# Altium PCB Standby_PS.PcbDoc (part 1 of 2)
Units mm, origin at the board's own origin, x right, y up, seen from the top; angles counter-clockwise.
Board outline 230 x 80 mm, 2 copper layers (Top Layer, Bottom Layer), stack 1.071 mm thick; 207 components, 84 nets, 482 pads, 84 vias.
Unrouted connection lines stored in the file: 340.
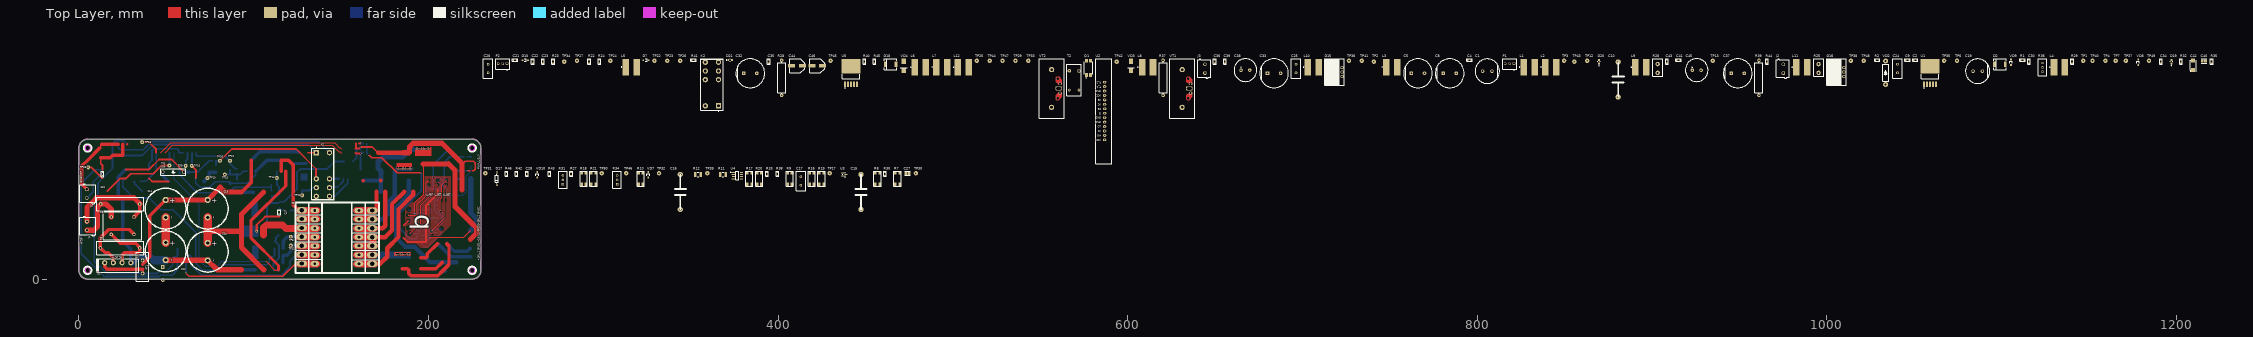
[diagram p0: Top Layer view]
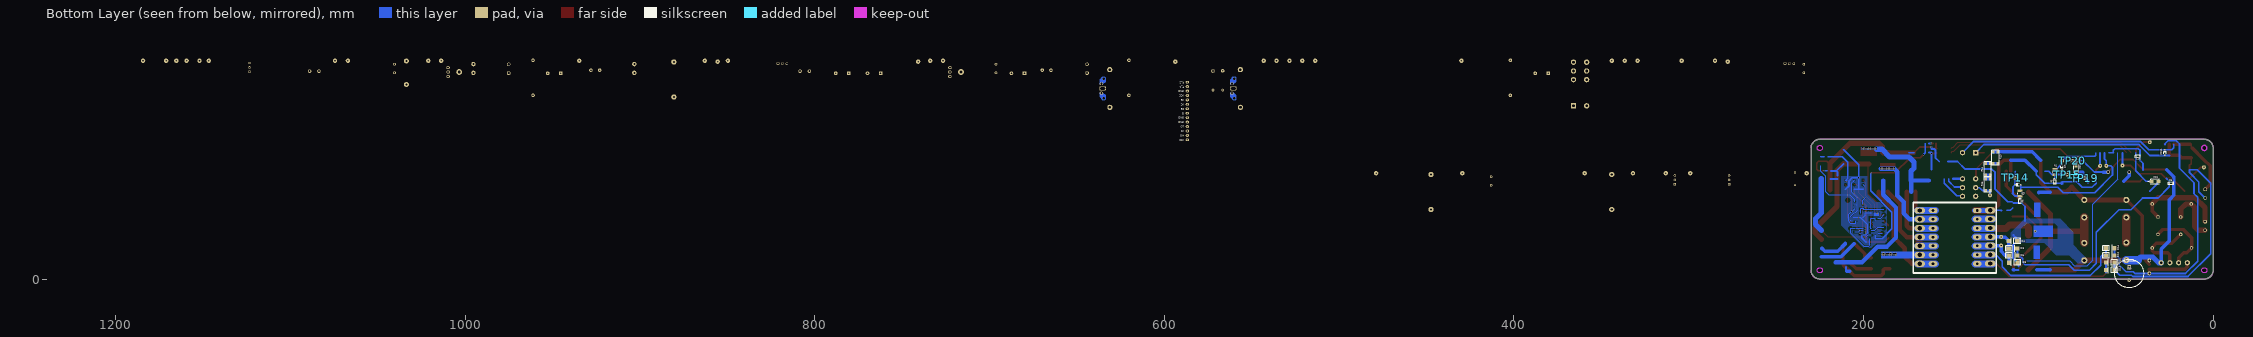
[diagram p1: Bottom Layer view, seen from below]

## Layer stack, top to bottom
Top Solder: solder mask 0.0102, Solder Resist, Dk 3.5
Top Layer: signal copper 0.0356
Dielectric 1: dielectric 1, FR-4, Dk 4.8
Bottom Layer: signal copper 0.0356
Bottom Solder: solder mask 0.0102, Solder Resist, Dk 3.5

## Board outline
0,5 0,74.95 0,75 cw(c5,75) 5,80 225,80 cw(c225,75) 230,75 230,74.9 230,4.95 230,5 cw(c225,5) 225,0 5,0 cw(c5,5)
cut-out: 223.5,5 ccw(c225,5) 225,3.5 ccw(c225,5) 226.5,5 ccw(c225,5) 225,6.5 ccw(c225,5)
cut-out: 223.5,75 ccw(c225,75) 225,73.5 ccw(c225,75) 226.5,75 ccw(c225,75) 225,76.5 ccw(c225,75)
cut-out: 3.5,5 ccw(c5,5) 5,3.5 ccw(c5,5) 6.5,5 ccw(c5,5) 5,6.5 ccw(c5,5)
cut-out: 5,73.5 cw(c5,75) 3.5,75 cw(c5,75) 5,76.5 cw(c5,75) 6.5,75 cw(c5,75)

## Design rules (kind name [scope] priority, off if disabled: settings)
Clearance Clearance_1 [All vs InNet('GND_1')] p1: gap=0.2 ignorepadtopadclearanceinfootprint=FALSE
Clearance [All vs InNet('GND')] p2: gap=0.4 ignorepadtopadclearanceinfootprint=FALSE except(0.2: Arc-Hole SMDPad-SMDPad SMDPad-THPad SMDPad-Via SMDPad-Fill SMDPad-Poly SMDPad-Region SMDPad-Text SMDPad-Hole THPad-THPad THPad-Via THPad-Fill THPad-Poly THPad-Region THPad-Text THPad-Hole Text-Text Text-Hole)
ComponentClearance [All] p1: gap=-3 collisioncheckmode=3 verticalgap=0.254 showdistances=FALSE
DiffPairsRouting [All] p1: maxlimit=0.254 minlimit=0.254 mostfreqgap=0.254 substack1={A23D90DD-733B-49C5-8102-56B3D284E3A0} toplayer_{a23d90dd-733b-49c5-8102-56b3d284e3a0}_minwidth=0.381 toplayer_{a23d90dd-733b-49c5-8102-56b3d284e3a0}_maxwidth=0.381 toplayer_{a23d90dd-733b-49c5-8102-56b3d284e3a0}_prefwidth=0.381 bottomlayer_{a23d90dd-733b-49c5-8102-56b3d284e3a0}_minwidth=0.381 bottomlayer_{a23d90dd-733b-49c5-8102-56b3d284e3a0}_maxwidth=0.381 bottomlayer_{a23d90dd-733b-49c5-8102-56b3d284e3a0}_prefwidth=0.381 toplayer_minwidth=0.381 toplayer_maxwidth=0.381 toplayer_prefwidth=0.381 bottomlayer_minwidth=0.381 bottomlayer_maxwidth=0.381 bottomlayer_prefwidth=0.381 substack2={0B3DB408-A969-412D-8C07-BA8AE97219D9} toplayer_{0b3db408-a969-412d-8c07-ba8ae97219d9}_minwidth=0.381 toplayer_{0b3db408-a969-412d-8c07-ba8ae97219d9}_maxwidth=0.381 toplayer_{0b3db408-a969-412d-8c07-ba8ae97219d9}_prefwidth=0.381 bottomlayer_{0b3db408-a969-412d-8c07-ba8ae97219d9}_minwidth=0.381 bottomlayer_{0b3db408-a969-412d-8c07-ba8ae97219d9}_maxwidth=0.381 bottomlayer_{0b3db408-a969-412d-8c07-ba8ae97219d9}_prefwidth=0.381 substack3={378827E6-B38F-4565-9D2F-710D8D441C30} toplayer_{378827e6-b38f-4565-9d2f-710d8d441c30}_minwidth=0.381 toplayer_{378827e6-b38f-4565-9d2f-710d8d441c30}_maxwidth=0.381 toplayer_{378827e6-b38f-4565-9d2f-710d8d441c30}_prefwidth=0.381 bottomlayer_{378827e6-b38f-4565-9d2f-710d8d441c30}_minwidth=0.381 bottomlayer_{378827e6-b38f-4565-9d2f-710d8d441c30}_maxwidth=0.381 bottomlayer_{378827e6-b38f-4565-9d2f-710d8d441c30}_prefwidth=0.381 substack4={1E65D4A7-266F-4925-B814-5E9C4A66F8EE} toplayer_{1e65d4a7-266f-4925-b814-5e9c4a66f8ee}_minwidth=0.381 toplayer_{1e65d4a7-266f-4925-b814-5e9c4a66f8ee}_maxwidth=0.381 toplayer_{1e65d4a7-266f-4925-b814-5e9c4a66f8ee}_prefwidth=0.381 bottomlayer_{1e65d4a7-266f-4925-b814-5e9c4a66f8ee}_minwidth=0.381 bottomlayer_{1e65d4a7-266f-4925-b814-5e9c4a66f8ee}_maxwidth=0.381 bottomlayer_{1e65d4a7-266f-4925-b814-5e9c4a66f8ee}_prefwidth=0.381 substack5={93C5D03E-862D-45F8-9871-970EEA9B3F11} toplayer_{93c5d03e-862d-45f8-9871-970eea9b3f11}_minwidth=0.381 toplayer_{93c5d03e-862d-45f8-9871-970eea9b3f11}_maxwidth=0.381 toplayer_{93c5d03e-862d-45f8-9871-970eea9b3f11}_prefwidth=0.381 bottomlayer_{93c5d03e-862d-45f8-9871-970eea9b3f11}_minwidth=0.381 bottomlayer_{93c5d03e-862d-45f8-9871-970eea9b3f11}_maxwidth=0.381 bottomlayer_{93c5d03e-862d-45f8-9871-970eea9b3f11}_prefwidth=0.381 maxuncoupledlength=12.7
Height [All] p1: minheight=0 maxheight=50 prefheight=33
HoleSize [All] p1: absolutevalues=TRUE maxlimit=6 minlimit=0.01 maxpercent=80.000 minpercent=20.000
HoleToHoleClearance [All] p1: gap=0.1 allowstackedmicrovias=TRUE
MinimumSolderMaskSliver [All] p1: minsoldermaskwidth=0.1
PlaneClearance [All] p1: clearance=0.7
PlaneConnect [All] p1: planeconnectstyle=Direct reliefexpansion=0.5 reliefentries=4 reliefconductorwidth=0.5 reliefairgap=0.15
PolygonConnect VQFN20 [HasFootprint('VQFN20')] p1: connectstyle=Direct reliefconductorwidth=0.254 reliefentries=4 polygonreliefangle="90 Angle" airgapwidth=0.254
PolygonConnect [All] p2: connectstyle=Direct reliefconductorwidth=0.3 reliefentries=4 polygonreliefangle="90 Angle" airgapwidth=0.15
RoutingVias [All] p1: holewidth=0.1 width=0.1 viastyle="Through Hole" minholewidth=0 minwidth=0.3 maxholewidth=2 maxwidth=4
ShortCircuit [All] p1: allowed=TRUE
SilkToSolderMaskClearance [IsPad] p1: minsilkscreentomaskgap=0.1 clearancetoexposedcopper=TRUE
SolderMaskExpansion SolderMaskExpansion_Via [IsVia] p1: expansion=0.102 istentingtop=TRUE
SolderMaskExpansion [All] p2: expansion=0.01 istentingtop=FALSE
SupplyNets "Schematic Supply Nets_5" [InNet('GND_1')] p1: voltage=0.000
SupplyNets "Schematic Supply Nets_4" [InNet('+550V')] p2: voltage=0.000
SupplyNets "Schematic Supply Nets_3" [InNet('GND')] p3: voltage=0.000
SupplyNets "Schematic Supply Nets_2" [InNet('GND_2')] p4: voltage=0.000
SupplyNets "Schematic Supply Nets_1" [InNet('GND_3')] p5: voltage=0.000
SupplyNets "Schematic Supply Nets" [InNet('+20V')] p6: voltage=0.000
UnRoutedNet [All] p1: checkbadconnections=TRUE
Width [All] p1: maxlimit=5 minlimit=0.2 preferedwidth=0.3 substack1={A23D90DD-733B-49C5-8102-56B3D284E3A0} substack2={0B3DB408-A969-412D-8C07-BA8AE97219D9} substack3={378827E6-B38F-4565-9D2F-710D8D441C30} substack4={1E65D4A7-266F-4925-B814-5E9C4A66F8EE} substack5={93C5D03E-862D-45F8-9871-970EEA9B3F11}
19 further rules are at their usual default settings.

## Components (designator, comment, footprint, x,y, rotation, side; value= is the part's Value field where it differs from the comment)
C1 "2200uF_25V" CAP_POL_13x26_1000uF_50V 805.816,118.926 r0 top
C2 "0.1uF" CAP-0805 1050.703,125.326 r0 top
C3 "CAP-NON-POLAR" CAP-V15 23.675,42.975 r180 top
C4 "1uF_50V" CAP-0805 795.665,125.326 r0 top
C5 "1000uF 50V" FP-RAD-TH-D_16_0_5-L_25_2-MFG 766.139,117.726 r0 top
C6 "1uF_50V" CAP-0805 24.1,54.63 r180 bottom
C7 "CAP-NON-POLAR" CAP-V15 23.55,17.8 r0 top
C8 "1000uF 50V" FP-RAD-TH-D_16_0_5-L_25_2-MFG 784.315,117.726 r0 top
C9 "0.1uF" CAP-0805 1046.177,125.326 r0 top
C10 "CAP-NON-POLAR" CAP_3.3uF_630V 880.669,114.176 r90 top
C11 "CAP-POLAR" "CAP 100uF_500V 22x40mm" 49.65,40.275 r270 top locked
C12 "CAP-POLAR" "CAP 100uF_500V 22x40mm" 49.65,15.825 r270 top
C13 "CAP-POLAR" "CAP 100uF_500V 22x40mm" 73.7,40.275 r270 top
C14 "CAP-POLAR" "CAP 100uF_500V 22x40mm" 73.7,15.7 r270 top
C15 "CAP-NON-POLAR" CAP_3.3uF_630V 447.498,49.823 r90 top
C16 "CAP-NON-POLAR" CAP_3.3uF_630V 344.068,49.823 r90 top
C17 "CAP-V" CAP-V 413.047,56.098 r90 top
C18 "1uF_50V" CAP-0805 43.075,70.125 r180 bottom
C19 "2200uF_25V" CAP_POL_13x26_1000uF_50V 1086.379,118.926 r0 top
C20 "1uF 50V" CAP-0805 77.375,67.675 r0 bottom
C21 "1uF 16V" CAP-0805 249.514,125.326 r0 top
C22 "1UF 16V" CAP-0805 259.689,124.551 r90 top
C23 "1UF 16V" CAP-0805 265.539,124.551 r90 top
C24 "" CAP-V 1040.502,120.451 r90 top
C25 "" CAP-V 696.36,120.451 r90 top
C26 "" CAP-V 234.138,120.451 r90 top
C27 "50V 1uF" FP-C0805C-DN-IPC_A 474.025,60.448 r0 top value="0.22 μF"
C28 "0.1uF" CAP-0805 256.289,60.198 r90 top
C29 "1000uF 50V" FP-RAD-TH-D_16_0_5-L_25_2-MFG 48.025,3.175 r270 bottom
C30 "0.1uF" CAP-0805 1115.781,124.551 r90 top
C31 "1uF_50V" CAP-0805 13.475,60.1 r90 top locked
C32 "1000uF 50V" FP-RAD-TH-D_16_0_5-L_25_2-MFG 384.12,117.726 r0 top
C33 "1000uF 50V" FP-RAD-TH-D_16_0_5-L_25_2-MFG 683.785,117.726 r0 top
C34 "0.1uF" CAP-0805 1191.335,124.551 r90 top
C35 "1uF_50V" CAP-0805 394.696,124.551 r90 top
C36 "0.1uF" CAP-0805 649.908,124.551 r90 top
C37 "1000uF 50V" FP-RAD-TH-D_16_0_5-L_25_2-MFG 949.098,117.726 r0 top
C38 "2200uF_25V" CAPPOL-12x25 667.409,119.526 r0 top
C39 "0.1uF" CAP-0805 655.758,124.551 r90 top
C40 "50V 1uF" FP-C0805C-DN-IPC_A 1215.861,124.776 r0 top value="0.22 μF"
C41 "1uF 50V" CAP-0805 915.246,125.326 r0 top
C42 "CAP-POLAR" CAP-TAN-C 1209.66,122.326 r90 top
C43 "1uF 50V" CAP-0805 908.621,124.551 r90 top
C44 "1000uF 6.3V" CAP_SMD_Size_E 410.846,121.926 r0 top
C45 "2200uF_25V" CAPPOL-12x25 925.622,119.526 r0 top
C46 "1000uF 6.3V" CAP_SMD_Size_E 422.372,121.926 r0 top
C47 "1uF_50V" CAP-0805 114.675,38.2 r270 top
D1 "RS40X" RS40X 22.225,7.8 r180 top locked
D2 "SS36" SMC/DO214AB 1099.105,122.901 r0 top
D3 "US1G" DO-214AA#1 112.4,17.55 r0 bottom
D4 "US1G" DO-214AA#1 116.525,21.7 r180 bottom
D5 "US1G" DO-214AA#1 112.275,13.475 r0 bottom
D6 "US1G" DO-214AA#1 116.375,9.375 r180 bottom
D7 "1N4148W-7-F" DIOD-SOD123-2_V#1 324.567,125.276 r0 top
D8 "1N4148W-7-F" DIOD-SOD123-2_V#1 111.625,54 r0 bottom
D9 "1N4148W-7-F" DIOD-SOD123-2_V#1 86.449,64.1 r270 bottom
D10 "1N4148W-7-F" DIOD-SOD123-2_V#1 255.389,125.276 r0 top
D11 "US1G" DO-214AA#1 60.875,9.4 r180 bottom
D12 "US1G" DO-214AA#1 56.775,13.5 r0 bottom
D13 "US1G" DO-214AA#1 60.875,5.25 r180 bottom
D14 "US1G" DO-214AA#1 56.775,17.625 r0 bottom
D15 "U1620G" TO-220_Bended_Rad 719.662,118.951 r90 top
D16 "U1620G" TO-220_Bended_Rad 1006.826,118.951 r90 top
D17 "5,6V" FP-SB-V-3906_04-031_4-MFG 239.188,57.448 r90 top
D18 "SS36" SMC/DO214AB 464.424,122.901 r0 top
D19 "RED" LED_RED 1197.185,124.376 r90 top
D20 "GREEN" LED_GREEN 869.694,124.376 r90 top
D21 "GREEN" LED_GREEN 372.595,125.301 r0 top
F1 "FILTER" FILTER_1 25.025,30.525 r0 top
J1 "691101710002" 691101710002 5.075,30.375 r270 top
J2 "691102710002" 691102710002 974.749,120.351 r90 top
J3 "691102710002" 691102710002 643.808,120.351 r90 top
J4 "691101710002" 691101710002 5.05,48.825 r270 top
K1 "F1CA005V" Relay_F1CA005V_Omron 139.6,60.225 r270 top
K2 "" Relay_F1CA005V_Omron 362.194,111.176 r90 top
L1 "1.2µH, 7.4A" WE-PD2_1054 829.767,121.201 r0 top
L2 "1.2µH, 7.4A" WE-PD2_1054 842.018,121.201 r0 top
L3 "1.2µH, 7.4A" WE-PD2_1054 751.213,121.201 r0 top
L4 "22µH, 2.04A" WE-PD2_1054 1133.157,121.201 r0 top
L5 "1.2µH, 7.4A" WE-PD2_1054 315.942,121.201 r0 top
L6 "1.2µH, 7.4A" WE-PD2_1054 481.475,121.201 r0 top
L7 "1.2µH, 7.4A" WE-PD2_1054 493.726,121.201 r0 top
L8 "1.2µH, 7.4A" WE-PD2_1054 611.406,121.201 r0 top
L9 "1.2µH, 7.4A" WE-PD2_1054 893.695,121.201 r0 top
L10 "1.2µH, 7.4A" WE-PD2_1054 706.186,121.201 r0 top
L11 "1.2µH, 7.4A" WE-PD2_1054 985.75,121.201 r0 top
L12 "22µH, 2.04A" WE-PD2_1054 505.976,121.201 r0 top
P1 "61900311121" 61900311121 818.541,122.976 r0 top
P2 "61900311121" 61900311121 242.413,122.976 r0 top
Q1 "PC817XNNIP0F" FP-PC817XNNIP0F-MFG 577.63,120.776 r90 top
R1 "1K" RES-0805 1112.031,125.326 r0 top
R2 "1K*" RES-0805 1028.902,125.326 r0 top
R3 "22" RES_SMD_1210_IPC_A 110.55,49 r270 bottom
R4 "22" RES_SMD_1210_IPC_A 90.525,61.35 r270 bottom
R5 "1K" RES-0805 90.525,55.825 r270 bottom
R6 "1K" RES-0805 110.5,44.525 r270 bottom
R7 "100K" RES-2512 468.349,57.473 r90 top
R8 "100K" RES-2512 456.924,57.473 r90 top
R9 "100K" RES-2512 406.771,57.473 r90 top
R10 "100K" RES-2512 321.392,57.473 r90 top
R11 "RES_1210" RES_SMD_1210_IPC_A 368.544,59.823 r0 top
R12 "RES_1210" RES_SMD_1210_IPC_A 354.194,59.823 r0 top
R13 "3K" RES-2512 124.525,69.4 r90 bottom
R14 "3K" RES-2512 128.85,62.8 r90 bottom
R15 "3K" RES-2512 128.85,54 r90 bottom
R16 "3K" RES-2512 419.272,57.473 r90 top
R17 "3K" RES-2512 383.62,57.473 r90 top
R18 "3K" RES-2512 288.866,57.473 r90 top
R19 "3K" RES-2512 424.847,57.473 r90 top
R20 "3K" RES-2512 389.22,57.473 r90 top
R21 "3K" RES-2512 294.466,57.473 r90 top
R22 "1K*" RES-0805 291.966,124.551 r90 top
R23 "1K" RES-0805 271.39,124.551 r90 top
R24 "1K*" RES-0805 297.816,124.551 r90 top
R25 "1.1 Ohm***" RES-2W_2 995.35,122.976 r90 top
R26 "1.1 Ohm***" RES-2W_2 903.296,122.976 r90 top
R27 "1K" RES-0805 281.74,60.198 r90 top
R28 "300" RES_3W 402.096,113.601 r0 top
R29 "1K" RES-0805 1140.507,124.551 r90 top
R30 "10K" RES-0805 461.199,60.198 r90 top
R31 "10K" RES_Adj_3296W_Bourns 276.94,56.723 r0 top
R32 "1K*" RES-0805 1202.76,124.551 r90 top
R33 "10K" RES-0805 393.771,60.198 r90 top
R34 "10K" RES_Adj_3296W_Bourns 307.941,56.723 r0 top
R35 "10K (1K)" RES-0805 1220.311,124.551 r90 top
R36 "10K" RES_Adj_3296W_Bourns 1123.456,121.076 r0 top
R37 "RES_100" RES_3W 620.332,113.601 r0 top
R38 "1K" RES-0805 399.621,60.198 r90 top
R39 "RES_100" RES_3W 961.248,113.601 r0 top
R40 "3K" RES-0805 449.398,124.551 r90 top
R41 "1K*" RES-0805 351.719,125.326 r0 top
R42 "1K" RES-0805 250.439,60.198 r90 top
R43 "1K" RES-0805 269.265,60.198 r90 top
R44 "2.7K" RES-0805 965.799,124.551 r90 top
R45 "1K" RES-0805 455.249,124.551 r90 top
R46 "5.1K" RES-0805 244.588,60.198 r90 top
RT1 "RES-TEMP" 10D-15 36.5,6.95 r270 top
T1 "ETD34" Transformer_ETD34 147.641,23.719 r0 top
T2 "Current_SENS" Current_Sense_13x7x5 569.429,113.826 r90 top
TP1 "" Test_Point#1 1146.757,124.901 r0 top
TP2 "Test_Point_PCB" Pin_Test_Point(Orange) 740.913,124.376 r0 top
TP3 "" Test_Point#1 849.768,124.901 r0 top
TP4 "" Test_Point#1 1159.458,124.901 r0 top
TP5 "" Test_Point#2 51.875,64.925 r90 top
TP6 "" Test_Point#1 1074.554,124.901 r0 top
TP7 "" Test_Point#1 1165.308,124.901 r0 top
TP8 "" Test_Point#2 121.225,24.1 r90 top
TP9 "" Test_Point#2 61.125,64.778 r90 top
TP10 "" Test_Point#2 86.448,67.625 r90 top
TP11 "" Test_Point#2 121.275,19.15 r90 top
TP12 "" Test_Point#1 862.969,124.901 r90 top
TP13 "" Test_Point#1 934.797,124.901 r90 top
TP14 "" Test_Point#2 113.227,57.825 r90 bottom
TP15 "" Test_Point#2 83.475,59.799 r180 bottom
TP16 "" Test_Point#2 64.647,64.756 r90 top
TP17 "" Test_Point#1 429.547,60.573 r90 top
TP18 "" Test_Point#2 36.225,78.3 r0 top
TP19 "Test_Point_PCB" Test_Point#2 73.517,57.776 r180 bottom
TP20 "Test_Point_PCB" Test_Point#2 80.7,67.675 r180 bottom
TP21 "Test_Point_PCB" Test_Point#2 127.65,47.875 r90 top
TP22 "Test_Point_PCB" Test_Point#1 329.267,124.901 r90 top
TP23 "Test_Point_PCB" Test_Point#1 336.618,124.901 r90 top
TP24 "Test_Point_PCB" Test_Point#1 304.066,124.901 r90 top
TP25 "Test_Point_PCB" Test_Point#1 513.726,124.901 r90 top
TP26 "Test_Point_PCB" Test_Point#1 343.993,124.901 r90 top
TP27 "Test_Point_PCB" Test_Point#1 285.015,124.901 r90 top
TP28 "" Test_Point#2 5.239,63.925 r90 top
TP29 "Test_Point_PCB" Test_Point#1 535.828,124.901 r90 top
TP30 "Test_Point_PCB" Test_Point#1 478.875,60.573 r90 top
TP31 "Test_Point_PCB" Test_Point#1 232.538,60.573 r90 top
TP32 "Test_Point_PCB" Test_Point#1 331.943,60.573 r90 top
TP33 "Test_Point_PCB" Test_Point#1 543.203,124.901 r90 top
TP34 "Test_Point_PCB" Pin_Test_Point(Orange) 277.69,124.376 r0 top
TP35 "Test_Point_PCB" Test_Point#1 1067.179,124.901 r90 top
TP36 "Test_Point_PCB" Test_Point#1 726.637,124.901 r90 top
TP37 "Test_Point_PCB" Test_Point#1 1171.159,124.901 r90 top
TP38 "Test_Point_PCB" Test_Point#1 1013.801,124.901 r90 top
TP39 "Test_Point_PCB" Test_Point#1 359.569,60.573 r90 top
TP40 "Test_Point_PCB" Test_Point#1 1152.108,124.901 r90 top
TP41 "Test_Point_PCB" Test_Point#1 734.012,124.901 r90 top
TP42 "Test_Point_PCB" Pin_Test_Point(Pink) 593.755,124.376 r0 top
TP43 "Test_Point_PCB" Pin_Test_Point(Pink) 855.643,124.376 r0 top
TP44 "" Test_Point#1 521.102,124.901 r90 top
TP45 "" Test_Point#1 430.097,124.901 r90 top
TP46 "Test_Point_PCB" Test_Point#1 313.142,60.573 r90 top
TP47 "" Test_Point#1 528.477,124.901 r90 top
TP48 "Test_Point_PCB" Test_Point#1 1021.176,124.901 r90 top
TP49 "Test_Point_PCB" Test_Point#1 1184.359,124.901 r90 top
TP50 "Test_Point_PCB" Test_Point#1 299.141,60.573 r90 top
U1 "" ON_Semiconductor_936A-02_MFG 1059.128,117.951 r0 top
U2 "TL494_Ir2181" PWM_Controller_Half 589.28,66.173 r90 top
U3 "" TL431_SOT-23-3(A) 437.823,59.773 r0 top
U4 "LM358DR2G" FP-751-07-IPC_C 376.77,59.173 r0 top
U5 "" ON_Semiconductor_936A-02_MFG 441.723,117.951 r0 top
VD1 "US1G" US1G_SMA 33.241,55.729 r180 bottom
VD2 "P6KE40" P6KE350CA 1033.702,118.026 r90 top
VD3 "SMBJ15A" DO-214AA#2 601.906,119.701 r90 top
VD4 "SMBJ15A" DO-214AA#2 471.974,119.701 r90 top
VD5 "15V" DO-017AA 54.041,61.225 r0 top
VD6 "US1G" US1G_SMA 78.391,63.101 r90 bottom
VD7 "" DIOD-SOD123-2_V#2 325.742,59.673 r90 top
VD8 "" DIOD-SOD123-2_V#2 1178.159,124.026 r90 top
VD9 "" DIOD-SOD123-2_V#2 1105.455,124.026 r90 top
VD10 "" DIOD-SOD123-2_V#2 262.189,59.673 r90 top
VD11 "" DIOD-SOD123-2_V#2 27.6,72.3 r90 bottom
VT1 "MOSFET-N-GDS" RAD_TO-220-TO247 631.257,109.025 r90 top
VT2 "MOSFET-N-GDS" RAD_TO-220-TO247 556.554,109.025 r90 top

## Footprints (in the part's own frame and the unit in brackets; to place one, negate y for a bottom-side part, rotate by r counter-clockwise, add the part's x,y. Pads: shape width x height; smd on the part's side, far side on the other; paste and mask are expansions set on the pad)
10D-15 [mm]
  round 2.2 hole 1.12: 1(-3.7,0) 2(3.7,0)
  silkscreen extent -8.25,-3.56 8.25,3.43, body extent -8.25,-3.5 8.25,3.5, height 21.24
61900311121 [mm] "2.54mm Male Locking Header, 3p"
  rrect50% 1.5x1.5 hole 1: 1(2.54,0.3)
  round 1.5 hole 1: 2(0,0.3) 3(-2.54,0.3)
  silkscreen extent -3.98,-3.52 3.98,2.98, body extent -3.81,-2.9 3.81,2.9, height 11.53
691101710002 [mm] "5,00mm - modular - blue - Horizontal entry with pressure clamp - 12,6mm height - 02p"
  rrect50% 1.95x1.95 hole 1.3: 1(-2.5,-0.5)
  round 1.95 hole 1.3: 2(2.5,-0.5)
  silkscreen extent -5.6,-4.5 5.6,4.5, body extent -5.6,-4.5 5.6,4.5, height 12.65
691102710002 [mm] "5,00mm - modular - blue - Horizontal entry with pressure clamp - 9,9 mm height - 02p"
  rrect50% 1.95x1.95 hole 1.3: 1(-2.5,-0.45)
  round 1.95 hole 1.3: 2(2.5,-0.45)
  silkscreen extent -5.6,-3.75 5.6,3.75, body extent -5.6,-3.75 5.6,3.75, height 9.96
"CAP 100uF_500V 22x40mm" [mm]
  round 3.5 hole 1.8: 1(-5,0) 2(5,0)
  silkscreen extent -11.68,-11.68 11.68,11.68, body extent -11,-11 11.1,11.1, height 31.53
CAP-0805 [mm]
  rect 0.8x1.25 smd mask+0.015: 1(-1,0) 2(1,0)
  silkscreen extent -1.52,-0.76 1.52,0.76, body extent -1,-0.62 1,0.63, height 0.8
CAP-TAN-C [mm]
  rect 2.3x2.3 smd: 1(-2.7,0) 2(2.7,0)
  silkscreen extent -3.8,-1.9 3,1.9, body extent -2.9,-1.6 2.9,1.6, height 2.6
CAP-V [mil]
  round 60 hole 30: 1(-97.44,0) 2(97.44,0)
  silkscreen extent -222,-106 221,108, body extent -216,-98 216,98, height 610
CAP-V15 [mm]
  round 2 hole 1: 1(-11.2,0) 2(11.2,0)
  silkscreen extent -13.4,-3.9 13.5,3.9, body extent -13.2,-3.72 13.3,3.7, height 17
CAP_3.3uF_630V [mil]
  round 120 hole 50: 1(-395,0) 2(395,0)
  silkscreen extent -395,-130 395,125, body extent -472,-236 472,236, height 804
CAP_POL_13x26_1000uF_50V [mm]
  round 2 hole 1.1: 1(-2.667,0) 2(2.667,0)
  silkscreen extent -7,-7 7,7, body extent -6.3,-6.3 6.31,6.31, height 25.72
CAP_SMD_Size_E [mm]
  rect 4x2 smd: 1(3.175,0) 2(-3.048,0)
  silkscreen extent -4.19,-3.94 4.32,4.06, body extent -4.25,-4 4.25,4, height 10.59
CAPPOL-12x25 [mm]
  round 2 hole 1: 1(-2.5,0) 2(2.5,0)
  silkscreen extent -6.5,-6.5 6.5,6.5, body extent -6.25,-6.25 6.25,6.25, height 25
Current_Sense_13x7x5 [mm]
  round 2 hole 1: 1(5.334,2.8) 2(5.207,-2.8)
  round 1.524 hole 0.762: 3(-5.7,2.8) 4(-5.7,-2.794)
  silkscreen extent -8.89,-4.06 9.02,4.19, body extent -12.58,-3.35 12.34,3.35, height 17.72
DIOD-SOD123-2_V#1 [mm] "SOD123, 2-Leads, Body 2.7x1.55mm, Height 1.45mm"
  rect 0.9x0.95 smd: 1(-1.575,0) 2(1.575,0)
  silkscreen extent -0.64,-0.82 0.64,0.77, body extent -1.35,-0.77 1.35,0.77, height 1.45
DIOD-SOD123-2_V#2 [mm] "SOD123, 2-Leads, Body 2.7x1.55mm, Height 1.45mm"
  rect 0.9x0.95 smd: 1(1.575,0) 2(-1.575,0)
  silkscreen extent -0.64,-0.82 0.64,0.77, body extent -1.88,-0.8 1.88,0.8, height 1.3
DO-017AA [mm]
  round 2 hole 1.3: 1(-6,0) 2(6,0)
  silkscreen extent -7.2,-1.85 7.15,1.83, body extent -6.63,-1.7 6.37,1.7, height 3.4
DO-214AA#1 [mm]
  rect 2.4x2.4 smd: 1(-0.381,0) 2(4.5,0)
  silkscreen extent 1.02,-1.9 6.35,1.91, body extent -0.75,-1.97 4.85,1.97, height 2.65
DO-214AA#2 [mm]
  rect 3x2.4 smd: 1(-0.381,0) 2(4.953,0)
  silkscreen extent 1.27,-1.91 1.27,1.91, body extent -0.53,-1.85 5.07,2.1, height 2.65
FILTER_1 [mm]
  round 2 hole 1: 1(-6.5,5) 2(6.5,5) 3(6.5,-5) 4(-6.5,-5)
  silkscreen extent -11.05,-8.03 10.92,8.1, body extent -10.95,-8 10.85,8, height 24.48
FP-751-07-IPC_C [mm]
  rect 1.874x0.543 smd paste+0 mask+0: 1(-2.316,1.905)
  rrect100% 1.874x0.543 smd paste+0 mask+0: 2(-2.316,0.635) 3(-2.316,-0.635) 4(-2.316,-1.905) 5(2.316,-1.905) 6(2.316,-0.635) 7(2.316,0.635) 8(2.316,1.905)
  silkscreen extent -3.98,-2.45 0.88,2.45, body extent -3.35,-2.55 3.35,2.55, height 0.25
FP-C0805C-DN-IPC_A [mm]
  rect 1.505x1.556 smd paste+0 mask+0: 1(-0.901,0) 2(0.901,0)
  silkscreen extent -1.65,-1.18 1.65,1.18, body extent -2.15,-1.28 2.15,1.28, height 0.25
FP-PC817XNNIP0F-MFG [mm]
  rect 2.2x1.7 smd paste+0 mask+0: 1(-4.1,1.27) 2(-4.1,-1.27) 3(4.1,-1.27) 4(4.1,1.27)
  silkscreen extent -5.87,-2.54 3.5,2.54, body extent -5.3,-2.64 5.3,2.64, height 0.25
FP-RAD-TH-D_16_0_5-L_25_2-MFG [mm]
  round 2.1 hole 1 paste-2539.97 mask+0: 1(3.75,0)
  rect 2.1x2.1 hole 1 paste-2539.97 mask+0: 2(-3.75,0)
  silkscreen extent -8.25,-8.25 8.25,8.25, body extent -8.35,-8.35 8.35,8.35, height 0.25
FP-SB-V-3906_04-031_4-MFG [mm]
  rect 1.25x1.25 hole 0.75 paste-2539.97 mask+0: 1(-3.55,0)
  round 1.25 hole 0.75 paste-2539.97 mask+0: 2(3.55,0)
  silkscreen extent -2.52,-0.85 2.52,0.85, body extent -4.28,-0.95 4.28,0.95, height 0.25
LED_GREEN [mm]
  rect 1.1x1.2 smd paste+0 mask+0: 1(-1.05,0) 2(1.05,0)
  silkscreen extent -2.27,-0.67 0.13,0.67, body extent -1,-0.63 1,0.63, height 0.8
LED_RED [mm]
  rect 1.1x1.2 smd paste+0 mask+0: 1(-1.05,0) 2(1.05,0)
  silkscreen extent -2.27,-0.67 0.13,0.67, body extent -1.7,-0.77 1.7,0.77, height 0.25
ON_Semiconductor_936A-02_MFG [mm]
  rect 1.016x3.05 smd paste+0 mask+0: 1(-3.404,-6.485) 2(-1.702,-6.485) 3(0,-6.485) 4(1.702,-6.485) 5(3.404,-6.485)
  rect 10.66x8.38 smd paste+0 mask+0: 6(0,3.82)
  silkscreen extent -5.12,-8.72 5.12,-0.75, body extent -5.43,-8.11 5.43,8.11, height 0.25
P6KE350CA [mm]
  round 2.8 hole 1.2: 1(-6.731,0) 2(6.731,0)
  silkscreen extent -4.95,-1.78 4.95,1.78, body extent -7.26,-1.8 7.26,1.8, height 6.9
Pin_Test_Point(Orange) [mm]
  round 2.5 hole 0.95: 1(0,0)
  body extent -1.3,-1.78 1.3,1.78, height 6.93
Pin_Test_Point(Pink) [mm]
  round 2.5 hole 0.95: 1(0,0)
  body extent -1.3,-1.78 1.3,1.78, height 6.93
PWM_Controller_Half [mil]
  oval 62x75 hole 35: 1(530,95) 2(630,95) 3(730,95) 4(830,95) 5(930,95) 6(1030,95) 7(1130,95) 8(1230,95) 9(1330,95) 10(1430,95) 11(1530,95) 12(1630,95) 13(1730,95) 14(1830,95)
  silkscreen extent -5,-70 2355,295, body extent 0,-75 2362,299, height 203
RAD_TO-220-TO247 [mm]
  round 3 hole 1.5: 0(-10.795,0.051) 0(10.795,0)
  round 1.425 hole 1.4: 1(-5.461,-3.505) 3(5.461,-3.505)
  oval 1.7x2 hole 1.2: 1(-2.692,-4.8) 3(2.718,-4.8)
  rrect50% 2.2x3.9 hole 1.2 slot 2.8 at 90 deg: 2(0,-4.064)
  Top Layer region: -4.851,-5.816 -6.629,-4.038 -6.629,-2.946 -6.045,-2.362 -3.962,-2.362 -2.413,-3.911 -2.413,-5.816
  Top Layer region: 2.311,-5.842 2.311,-3.988 3.886,-2.413 6.02,-2.413 6.604,-2.997 6.604,-4.267 5.029,-5.842
  Bottom Layer region: -4.851,-5.816 -6.629,-4.038 -6.629,-2.946 -6.045,-2.362 -3.962,-2.362 -2.413,-3.911 -2.413,-5.816
  Bottom Layer region: 2.311,-5.842 2.311,-3.988 3.886,-2.413 6.02,-2.413 6.604,-2.997 6.604,-4.267 5.029,-5.842
  silkscreen extent -16.99,-7.16 17.02,7.11, body extent -17,-7.19 17,7.19, height 25.75
Relay_F1CA005V_Omron [mil]
  rect 120x120 hole 60 paste-99999 mask+0: 1(-476.38,-147.64)
  round 120 hole 60 paste-99999 mask+0: 2(114.17,-147.64) 3(311.02,-147.64) 4(507.87,-147.64) 5(507.87,147.64) 6(311.02,147.64) 7(114.17,147.64) 8(-476.38,147.64)
  silkscreen extent -599,-255 580,255, body extent -575,-254 575,254, height 10
RES-2W_2 [mm]
  round 2.5 hole 1.2: 1(-5,0) 2(0,0)
  silkscreen extent -6.93,-2.95 2.95,2.85, body extent -5.4,-2.6 2.6,2.6, height 21.6
RES-0805 [mm]
  rect 0.8x1.25 smd mask+0.015: 1(-1,0) 2(1,0)
  silkscreen extent -1.52,-0.76 1.52,0.76, body extent -1,-0.62 1,0.63, height 0.6
RES-2512 [mm]
  rect 1.8x1.45 smd: 1(-3.275,-1.225) 1(-3.275,1.225) 2(3.275,-1.225) 2(3.275,1.225)
  silkscreen extent -4.28,-2.05 4.25,2.05, body extent -3.2,-1.6 3.2,1.6, height 0.6
RES_3W [mm]
  round 2 hole 1: 1(0,11.557) 2(0,-8.509)
  silkscreen extent -2.29,-7.49 2.29,10.54, body extent -2.33,-8.9 2.33,11.9, height 7.33
RES_Adj_3296W_Bourns [mm]
  rect 1.4x1.4 hole 0.75 paste-2539.97 mask+0: 1(0,-2.54)
  round 1.4 hole 0.75 paste-2539.97 mask+0: 2(0,0) 3(0,2.54)
  silkscreen extent -2.49,-4.89 2.47,4.89, body extent -2.59,-4.99 2.57,4.99, height 0.25
RES_SMD_1210_IPC_A [mm]
  rect 1.405x2.806 smd paste+0 mask+0: 1(-1.551,0) 2(1.551,0)
  silkscreen extent -0.47,-1.25 0.47,1.25, body extent -1.6,-1.25 1.6,1.25, height 0.6
RS40X [mm]
  round 3 hole 1.5: 1(-7.5,-1.5) 2(-2.5,-1.5) 3(2.5,-1.5) 4(7.5,-1.5)
  silkscreen extent -11.9,-3.7 12,3.8, body extent -11.81,-3.55 11.81,3.55, height 19.76
SMC/DO214AB [mm]
  rect 1.52x3.2 smd: 1(-3.105,0) 2(3.105,0)
  silkscreen extent -3.6,-3.15 3.6,3.15, body extent -3.77,-3.11 3.77,3.11, height 2.62
Test_Point#1 [mm]
  round 2.5 hole 0.95: 1(0,0)
Test_Point#2 [mm]
  round 2.286 hole 0.762 paste-2539.97 mask+0.102: 1(0,0)
TL431_SOT-23-3(A) [mm]
  rect 1.659x0.627 smd paste+0 mask+0: 1(-0.977,0.915)
  rrect100% 1.659x0.627 smd paste+0 mask+0: 2(-0.977,-0.915) 3(0.977,0)
  silkscreen extent -0.65,-1.45 0.65,1.45, body extent -2.31,-1.95 2.31,1.95, height 0.25
TO-220_Bended_Rad [mil]
  oval 70x80 hole 40: 1(-120,-120) 2(-20,-120) 3(80,-120)
  round 130 hole 60: 2(-20,130)
  silkscreen extent -320,-170 280,270, body extent -315,-165 275,265, height 997
Transformer_ETD34 [mm]
  oval 6x3.5 hole 2.5: 1(-20.066,15.621) 2(-20.066,10.627) 3(-20.066,5.461) 4(-20.066,0.381) 5(-20.066,-4.613) 6(-20.066,-9.779) 7(-20.066,-14.859) 8(20.193,-14.986) 9(20.193,-9.906) 10(20.193,-4.74) 11(20.193,0.254) 12(20.193,5.334) 13(20.193,10.5) 14(20.193,15.494)
  oval 5x3 hole 1.524: 1(-12.7,15.494) 2(-12.7,10.5) 3(-12.7,5.334) 4(-12.7,0.254) 5(-12.7,-4.74) 6(-12.7,-9.906) 7(-12.7,-14.986) 8(12.573,-14.986) 9(12.573,-9.906) 10(12.573,-4.74) 11(12.573,0.254) 12(12.573,5.334) 13(12.573,10.5) 14(12.573,15.494)
  Top Layer lines w4: -21.844,15.494 -21.443,15.494 -20.066,15.494 -12.7,15.494 -11.447,15.494 ; -21.717,-14.986 -21.443,-14.986 -20.066,-14.986 -12.7,-14.986 -11.32,-14.986 ; -21.717,-9.906 -20.066,-9.906 -12.7,-9.906 -11.32,-9.906 ; -21.717,-4.699 -20.066,-4.699 -12.7,-4.699 -11.32,-4.699 ; -21.717,0.254 -20.066,0.254 -12.7,0.254 -11.32,0.254 ; -21.717,5.334 -20.066,5.334 -12.7,5.334 -11.32,5.334 ; -21.717,10.541 -11.32,10.541 ; 11.176,-14.986 12.573,-14.986 20.193,-14.986 21.573,-14.986 ; 11.176,-9.906 21.573,-9.906 ; 11.176,-4.74 12.573,-4.74 20.193,-4.74 20.409,-4.74 21.573,-4.74 ; 11.176,0.254 19.312,0.254 21.573,0.254 ; 11.176,5.334 12.573,5.334 20.193,5.334 21.573,5.334 ; 11.176,10.5 12.573,10.5 20.193,10.5 21.573,10.5 ; 11.176,15.494 12.573,15.494 20.193,15.494 21.037,15.494 21.573,15.494
  Bottom Layer lines w3: -21.734,15.494 -20.193,15.494 -20.066,15.494 -12.7,15.494 -11.337,15.494
  Bottom Layer lines w4: -21.734,-14.986 -20.066,-14.986 -12.7,-14.986 -11.337,-14.986 ; -21.734,-9.906 -21.443,-9.906 -20.767,-9.906 -20.193,-9.906 -20.066,-9.906 -12.7,-9.906 -11.337,-9.906 ; -21.734,-4.74 -20.066,-4.74 -12.7,-4.74 -11.337,-4.74 ; -21.734,0.254 -20.066,0.254 -12.7,0.254 -11.337,0.254 ; -21.734,5.334 -20.066,5.334 -12.7,5.334 -11.337,5.334 ; -21.734,10.5 -11.337,10.5 ; 11.159,-14.986 12.573,-14.986 20.193,-14.986 21.556,-14.986 ; 11.159,-9.906 21.556,-9.906 ; 11.159,-4.74 12.573,-4.74 20.193,-4.74 21.556,-4.74 ; 11.159,0.254 21.556,0.254 ; 11.159,5.334 12.573,5.334 20.193,5.334 21.556,5.334 ; 11.159,10.5 12.573,10.5 20.193,10.5 21.443,10.5 21.556,10.5 ; 11.159,15.494 12.573,15.494 20.193,15.494 21.556,15.494
  silkscreen extent -23.75,-20.32 24.13,20.07, body extent -20.11,-20 20.11,20, height 34.58
US1G_SMA [mm]
  rect 2.5x1.7 smd paste+0 mask+0: 1(-2,0) 2(2,0)
  silkscreen extent -3.93,-1.46 2.3,1.46, body extent -2.6,-1.3 2.6,1.3, height 2.4
WE-PD2_1054 [mm] "SMD Power Inductor, 2-Leads, body 10x9mm"
  rect 3.75x9.5 smd: 1(-3.125,0) 2(3.125,0)
  silkscreen extent -5.62,-0.12 -5.37,0.12, body extent -5.04,-4.5 5.04,4.5, height 5.43